# Altium PCB HV_Module_2W.PCBDOC (part 1 of 3)
Units mil, origin at the board's own origin, x right, y up, seen from the top; angles counter-clockwise.
Board outline 5826.77 x 3385.83 mil, 4 copper layers (Top, L2, L3, Bot), stack 62.992 mil thick; 295 components, 180 nets, 850 pads, 310 vias.
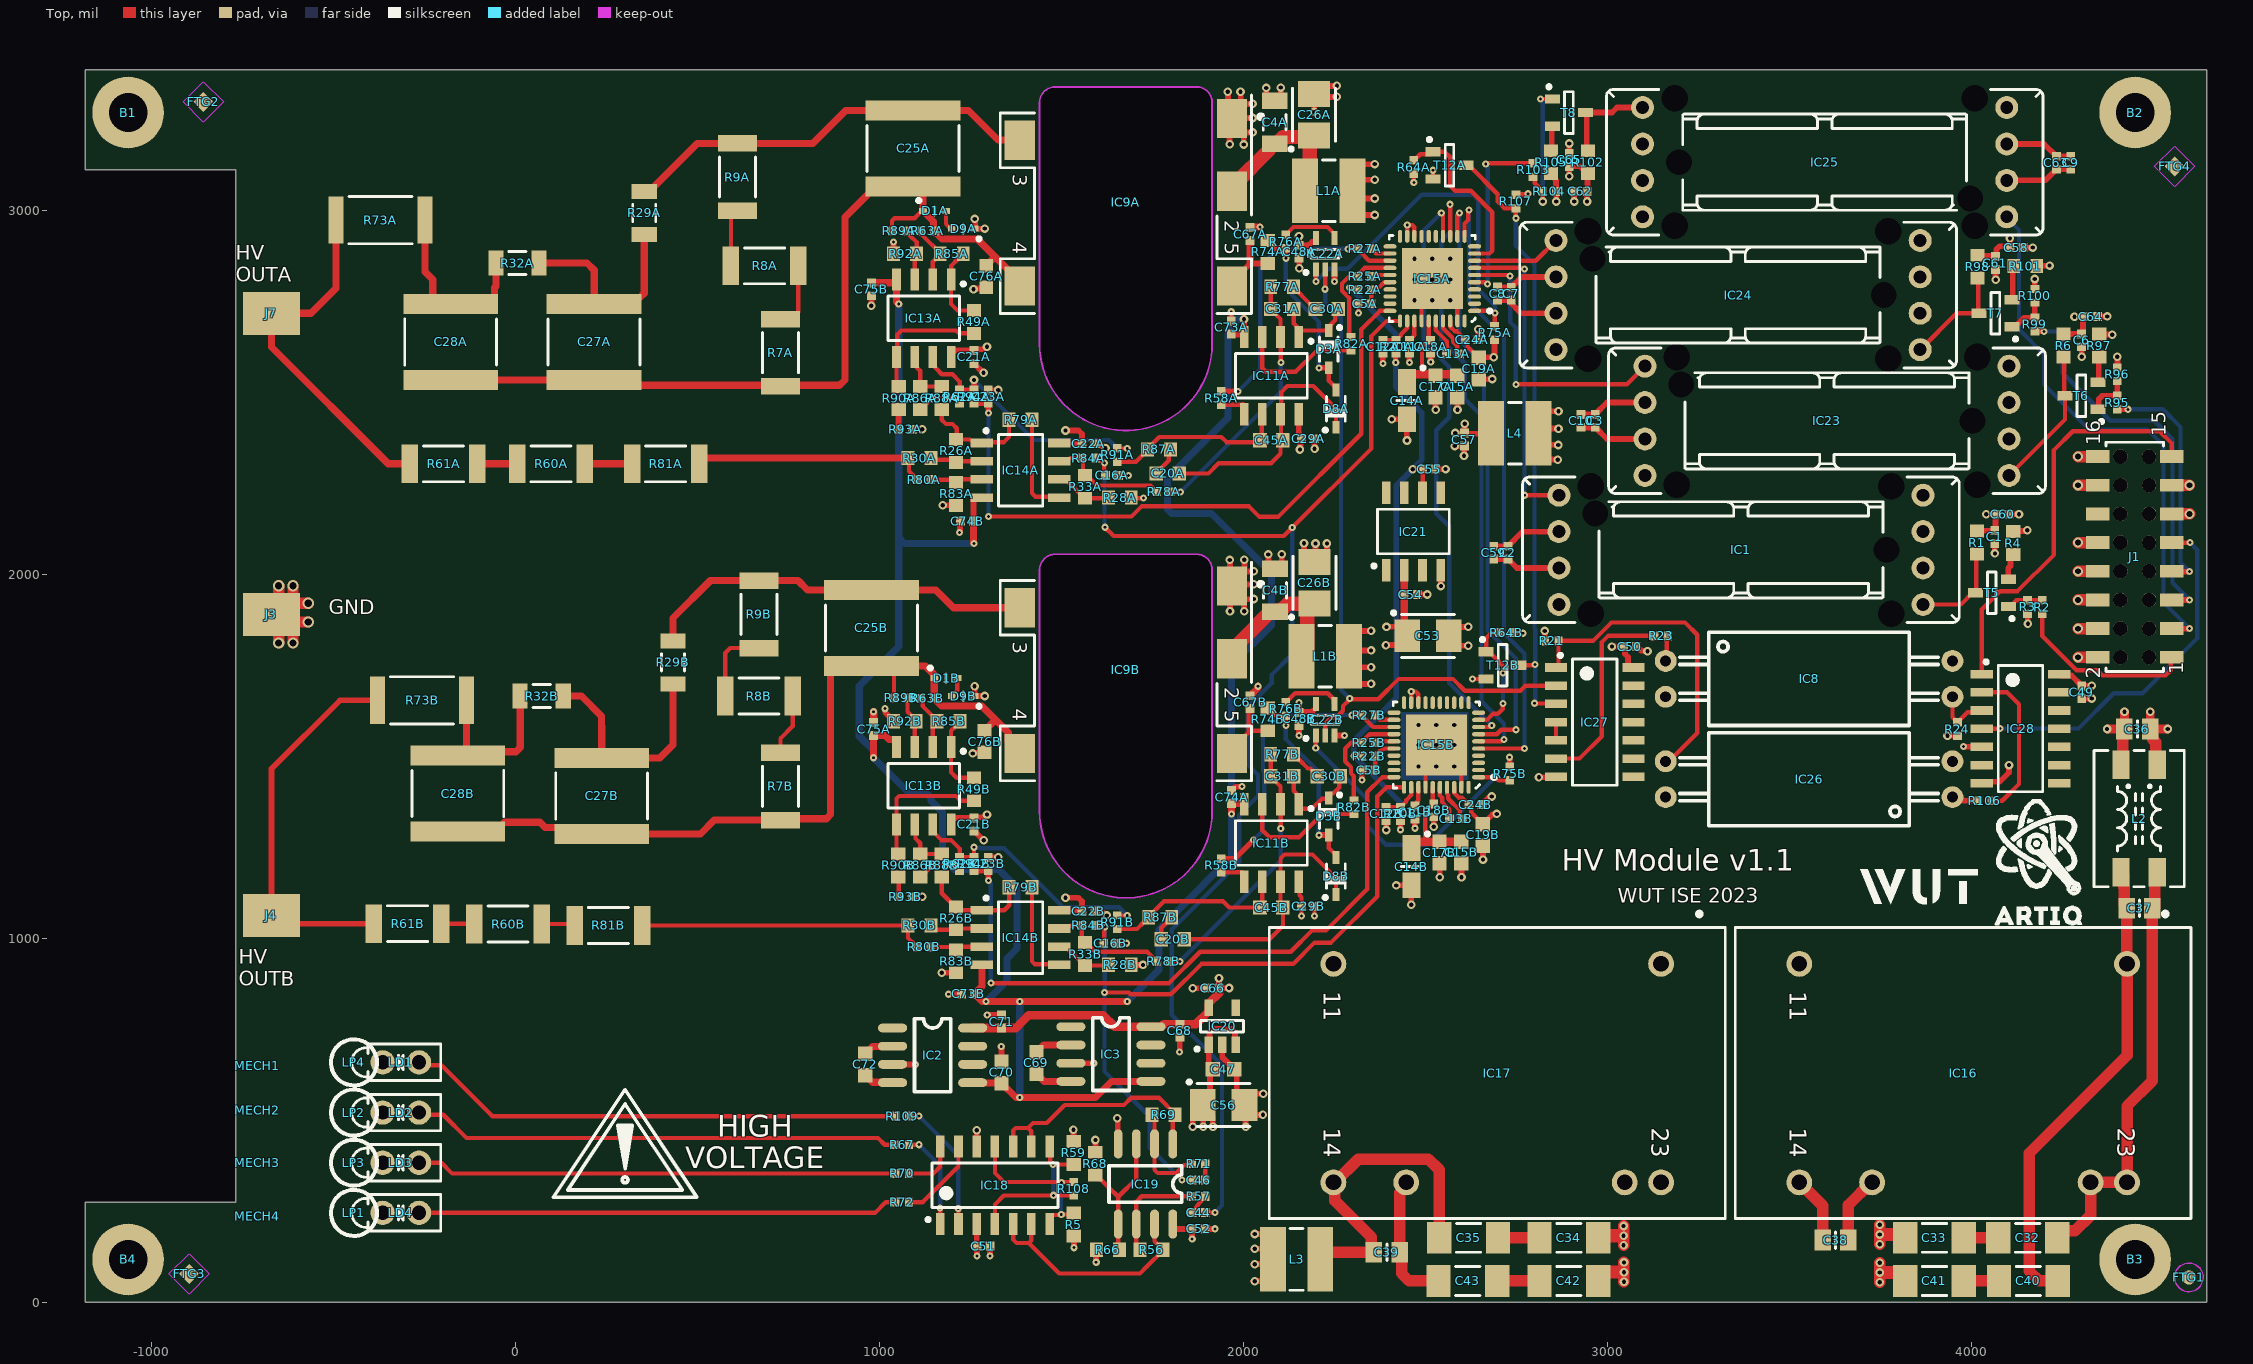
[diagram p0: Top view]
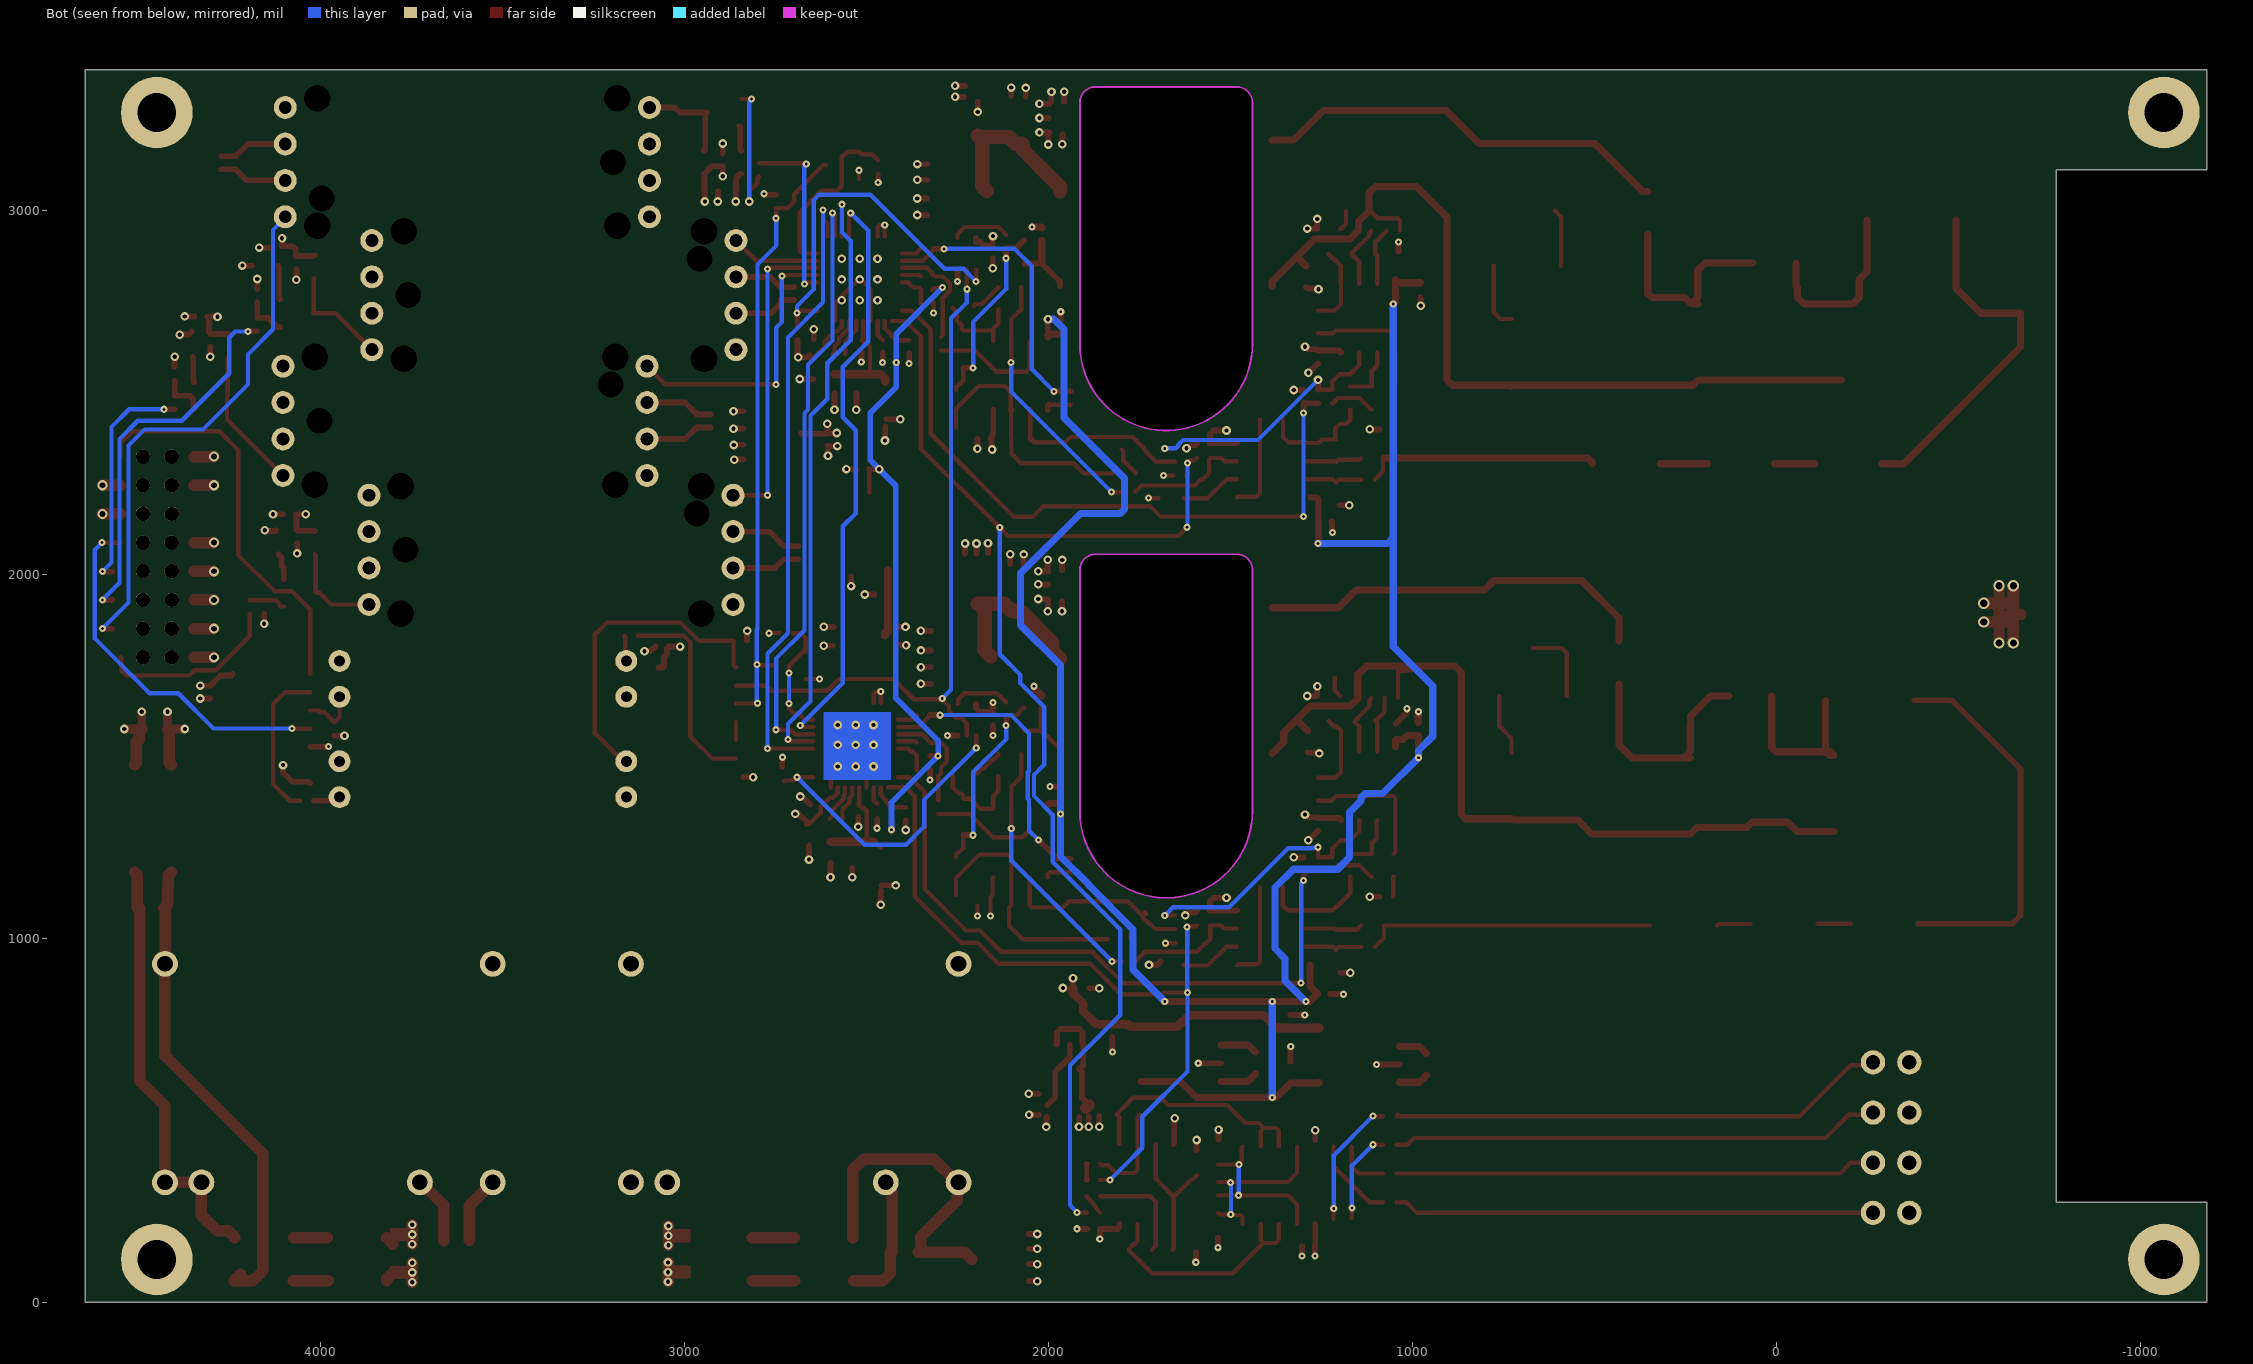
[diagram p1: Bot view, seen from below]
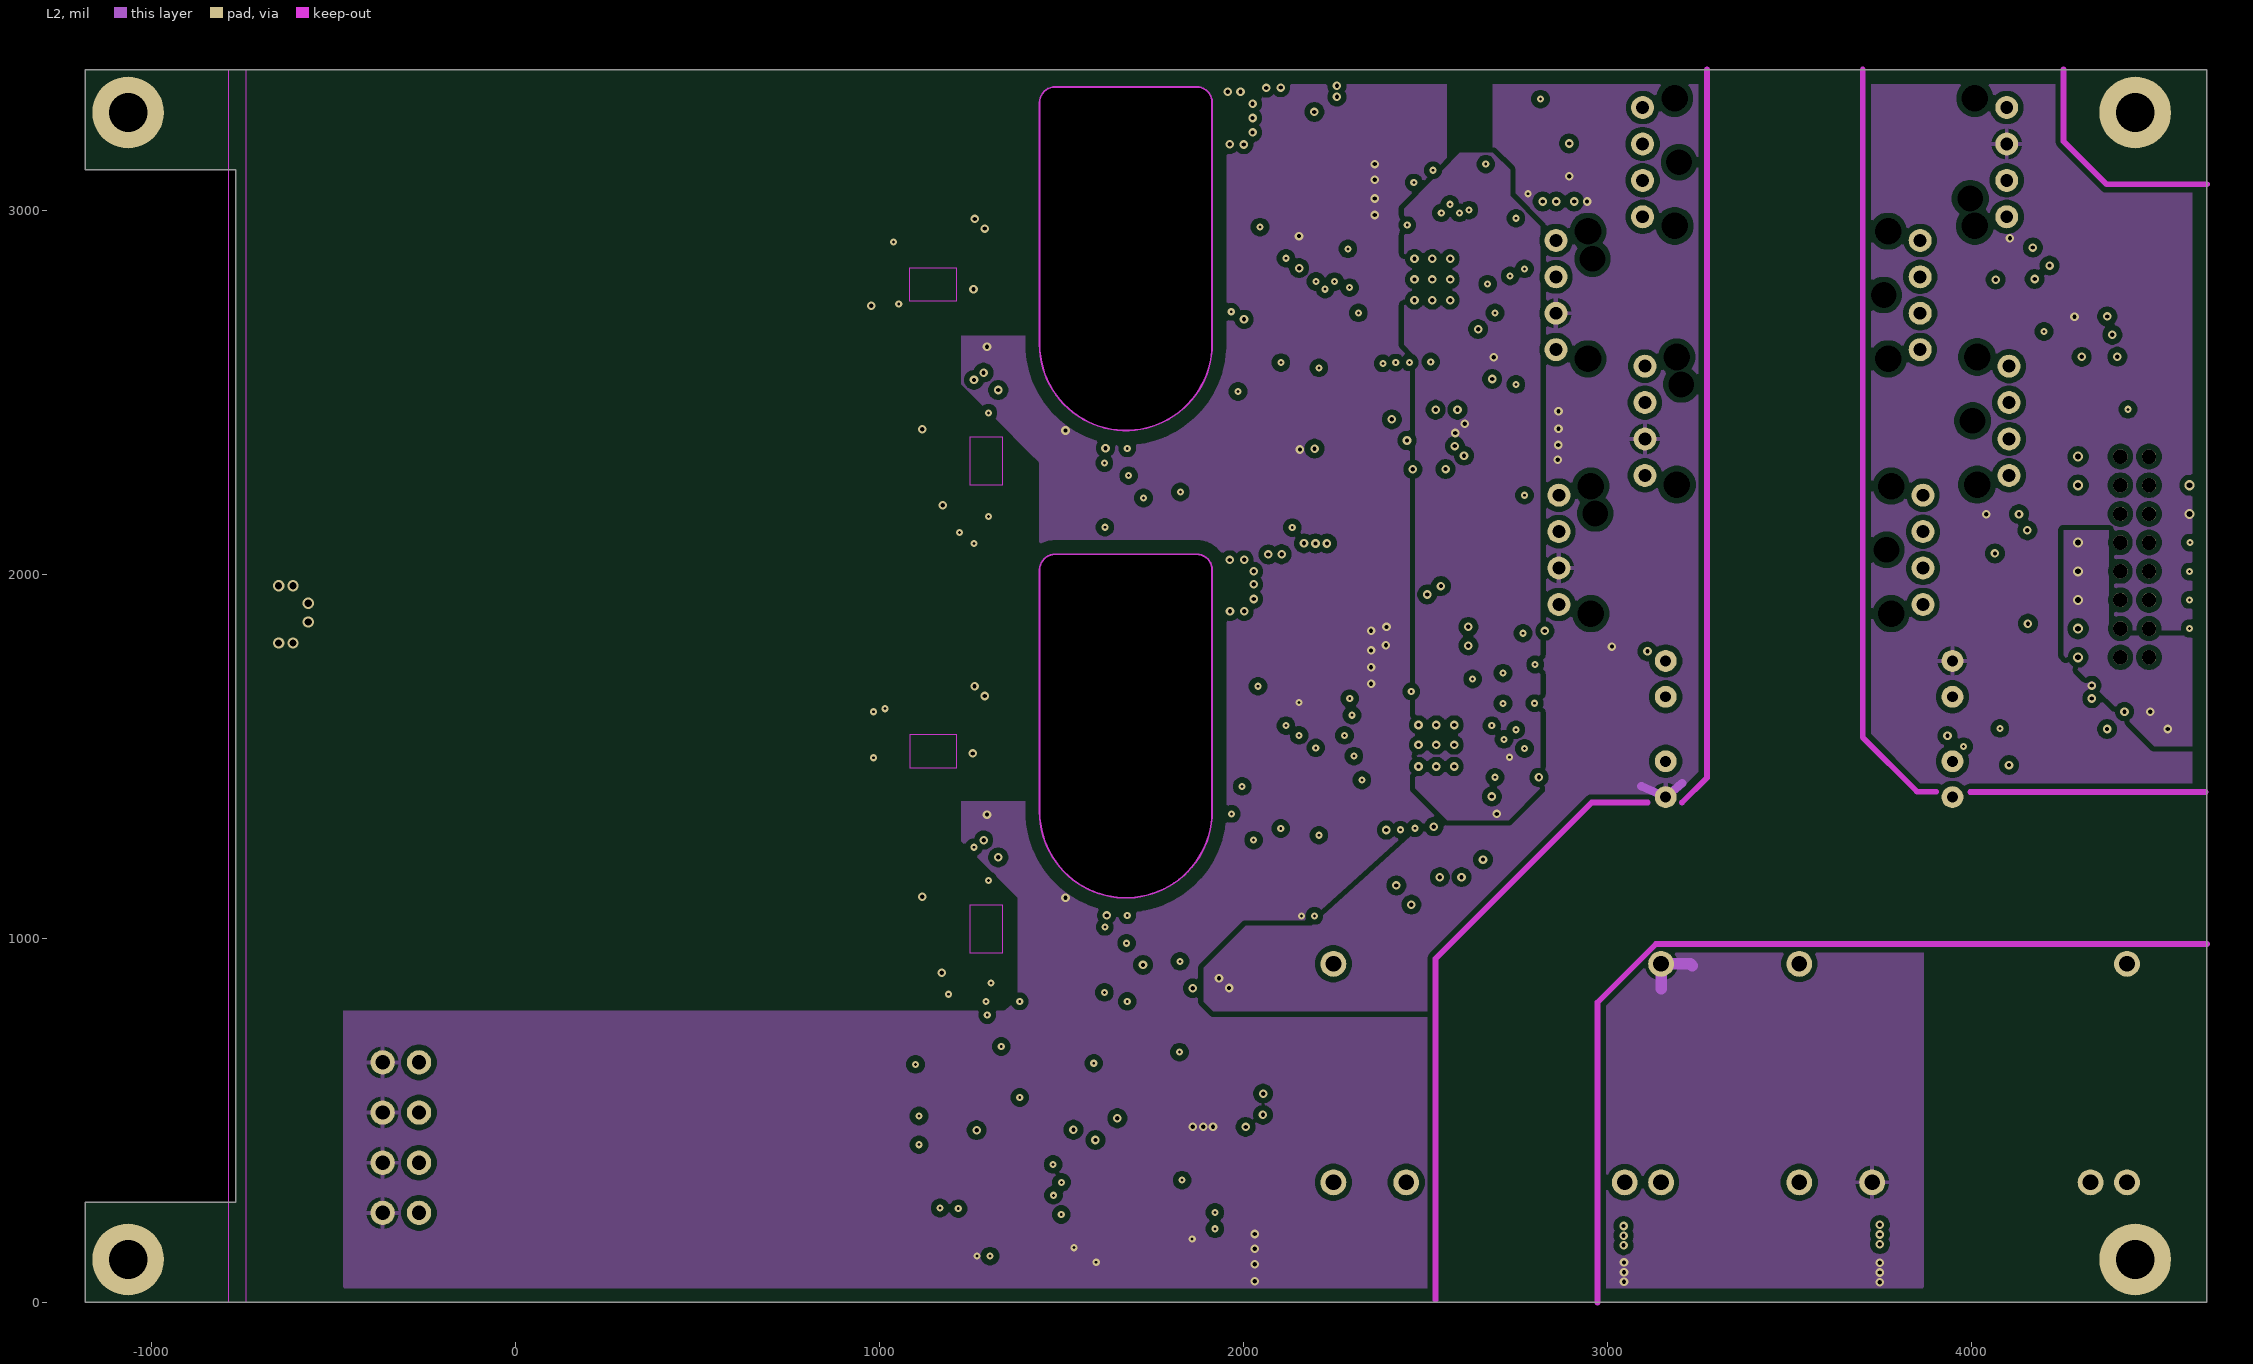
[diagram p2: L2]
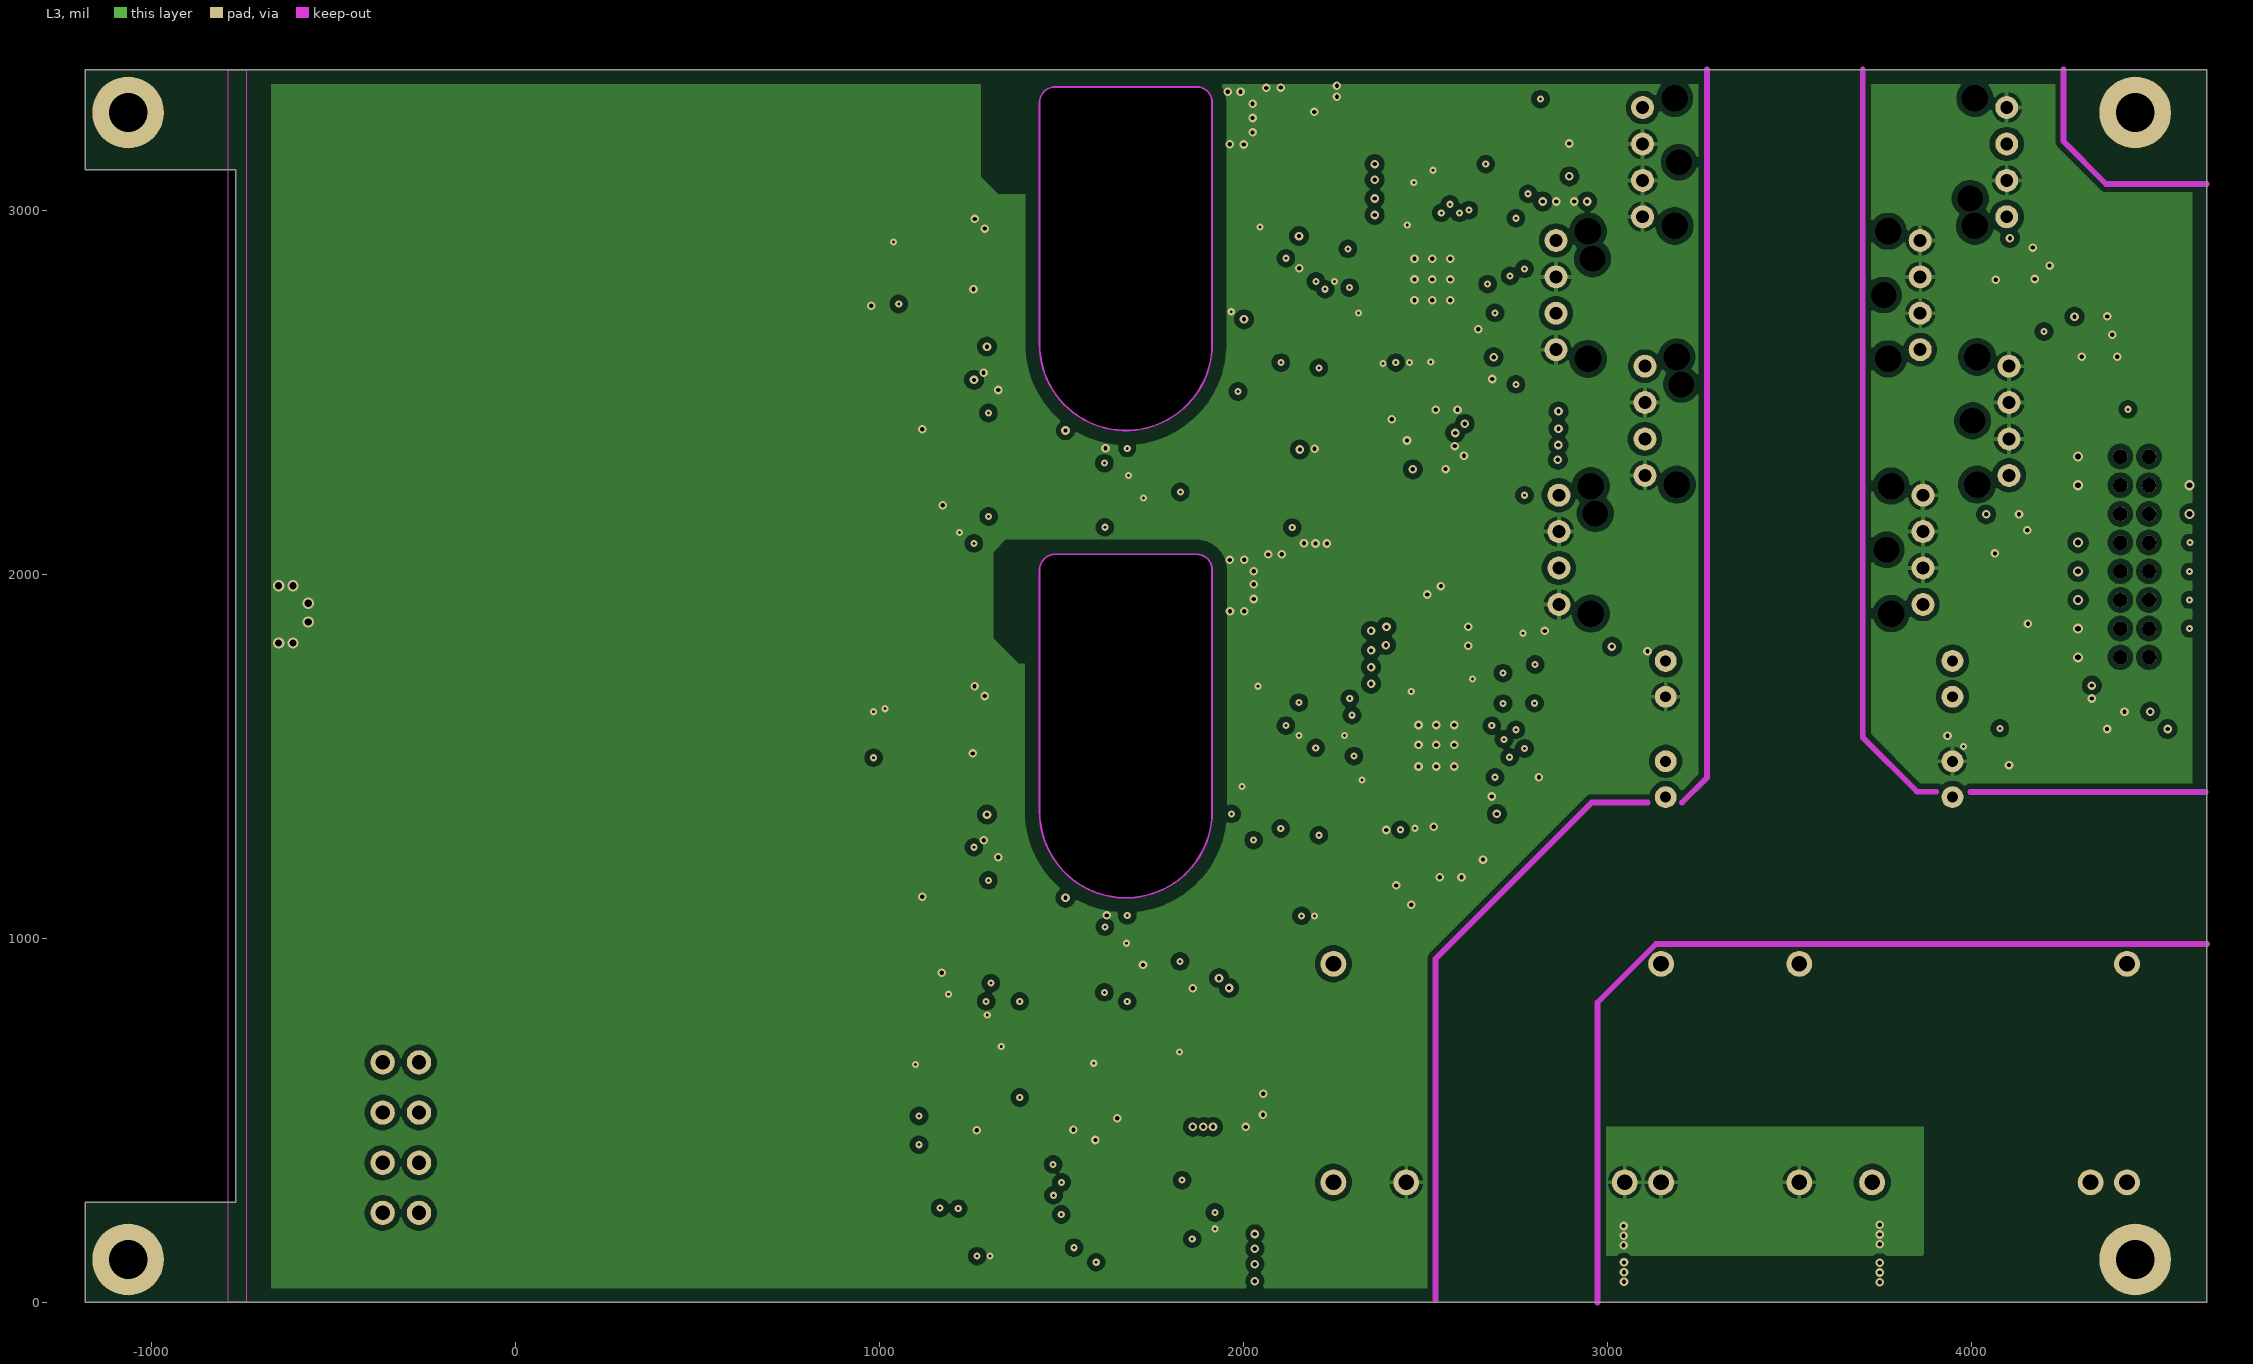
[diagram p3: L3]
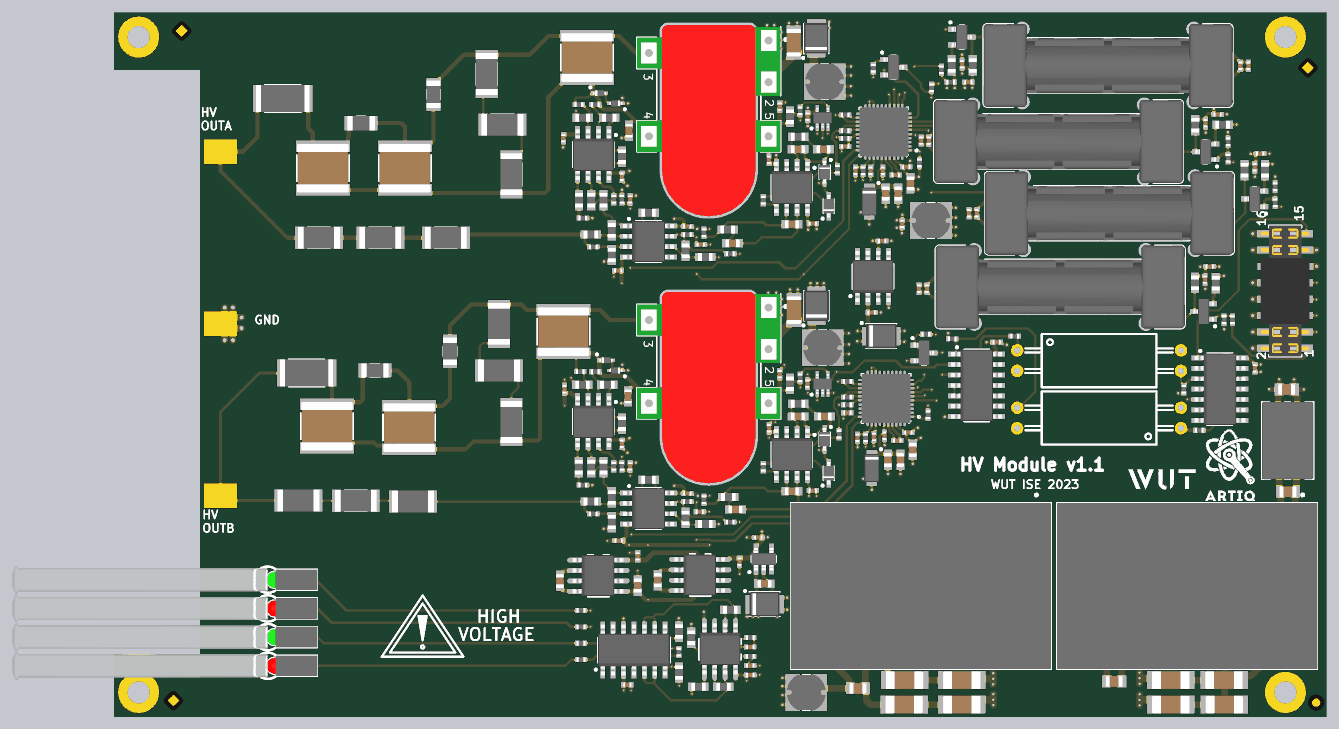
[diagram p6: 3D render of the assembled board from above, using the file's embedded part models]

## Layer stack, top to bottom
TopSolder: solder mask 0.4, Solder Resist, Dk 3.5
Top: signal copper 1.378
Dielectric1: core 7.0866, FR-4, Dk 4.2
L2: signal copper 1.378
Dielectric 3: prepreg 43.3071, FR-4, Dk 4.2
L3: signal copper 1.378
Dielectric2: core 7.0866, FR-4, Dk 4.2
Bot: signal copper 1.378
BottomSolder: solder mask 0.4, Solder Resist, Dk 3.5

## Board outline
-1181.1,0 -1181.1,275.59 -767.72,275.59 -767.72,3110.24 -1181.1,3110.24 -1181.1,3385.83 4645.67,3385.83 4645.67,0 4566.93,0

## Design rules (kind name [scope] priority, off if disabled: settings)
AcuteAngle [All] p1: minimum=6.00000000000000E+0001 checktracksonly=FALSE
BoardOutlineClearance [not (OnLayer('TopOverlay')  or  OnLayer('BottomOverlay') )] p1: gap=10 ignorepadtopadclearanceinfootprint=FALSE except(0: Arc-SplitContinuation Track-SplitContinuation SMDPad-SplitContinuation THPad-SplitContinuation Via-SplitContinuation Fill-SplitContinuation Poly-SplitContinuation Region-SplitContinuation Text-SplitContinuation; 39.37: Poly-OutlineEdge Poly-CutoutEdge)
Clearance Clearance_HV [InNetClass('HV') vs not InNetClass('HV')] p1: gap=39.37 ignorepadtopadclearanceinfootprint=FALSE
Clearance Clearance_balancing [InNamedPolygon('balancing')            or InNamedPolygon('balancing_top')] p2: gap=11.81 ignorepadtopadclearanceinfootprint=FALSE
Clearance Clearance_DIFF [(InDifferentialPairClass('All Differential Pairs'))] p3: gap=5 ignorepadtopadclearanceinfootprint=FALSE except(0: Arc-Hole Track-Hole SMDPad-Hole THPad-Hole Via-Hole Fill-Hole Poly-Hole Region-Hole Text-Hole; 10: Arc-Poly Track-Poly SMDPad-Poly THPad-Poly Via-Poly Fill-Poly Poly-Poly Poly-Region Poly-Text)
Clearance [All] p4: gap=5 ignorepadtopadclearanceinfootprint=FALSE except(0: Arc-Hole Track-Hole SMDPad-Hole THPad-Hole Via-Hole Fill-Hole Poly-Hole Region-Hole Text-Hole; 15: Arc-Poly Track-Poly SMDPad-Poly THPad-Poly Via-Poly Fill-Poly Poly-Poly)
ComponentClearance [All] p1 off: gap=10 collisioncheckmode=3 verticalgap=10 showdistances=FALSE
DiffPairsRouting [All] p1: maxlimit=7 minlimit=6 mostfreqgap=6 toplayer_minwidth=5 toplayer_maxwidth=6 toplayer_prefwidth=6 midlayer1_minwidth=5 midlayer1_maxwidth=6 midlayer1_prefwidth=6 midlayer2_minwidth=5 midlayer2_maxwidth=6 midlayer2_prefwidth=6 bottomlayer_minwidth=5 bottomlayer_maxwidth=6 bottomlayer_prefwidth=6 maxuncoupledlength=500
FabricationTestPointUsage TestPointUsage [All] p1: valid=0 allowmultiple=FALSE
FabricationTestpoint Testpoint [All] p1: side=3 testpointundercomponent=TRUE minsize=40 maxsize=100 preferedsize=60 minholesize=20 maxholesize=40 preferedholesize=32 testpointgrid=1 allowsidetop=TRUE allowsidebottom=TRUE usegrid=TRUE gridtolerance=0.01
Height [All] p1 off: minheight=0 maxheight=1000 prefheight=500
HoleSize [All] p1: absolutevalues=TRUE maxlimit=150 minlimit=1 maxpercent=80.000 minpercent=20.000
HoleToHoleClearance [All] p1: gap=1 allowstackedmicrovias=TRUE
MinimumSolderMaskSliver [All] p1: minsoldermaskwidth=0
PlaneClearance PlaneClearance_HV [InNetClass('HV')] p1: clearance=39.37
PlaneClearance [All] p2: clearance=10
PlaneConnect [All] p1: planeconnectstyle=Direct reliefexpansion=20 reliefentries=4 reliefconductorwidth=10 reliefairgap=10
PolygonConnect [All] p1: thpad.connectstyle=Relief thpad.reliefconductorwidth=11.81 thpad.reliefentries=4 thpad.polygonreliefangle="90 Angle" thpad.airgapwidth=10 smdpad.connectstyle=Relief smdpad.reliefconductorwidth=11.81 smdpad.reliefentries=4 smdpad.polygonreliefangle="90 Angle" smdpad.airgapwidth=10 via.connectstyle=Direct via.reliefconductorwidth=10 via.reliefentries=4 via.polygonreliefangle="45 Angle" via.airgapwidth=10
RoomDefinition U_HV_PWR_STAGE2 [InComponentClass('U_HV_PWR_STAGE2')] p1: confinementstyle=ConfineIn formatcopy=TRUE lockcomponents=FALSE outline 375.98,783.46 2354.33,783.46 2354.33,2112.2 375.98,2112.2
RoomDefinition U_ADC_DAC1 [InComponentClass('U_ADC_DAC1')] p2: confinementstyle=ConfineIn formatcopy=TRUE lockcomponents=FALSE outline 2685.83,2983.3 2292.13,2983.3 2292.13,2473.07 2685.83,2473.07
RoomDefinition U_HV_PWR_STAGE1 [InComponentClass('U_HV_PWR_STAGE1')] p3: confinementstyle=ConfineIn formatcopy=TRUE lockcomponents=FALSE outline 375.98,2066.93 2354.33,2066.93 2354.33,3395.67 375.98,3395.67
RoomDefinition U_LED_indicators [InComponentClass('U_LED_indicators')] p4: confinementstyle=ConfineIn formatcopy=TRUE lockcomponents=FALSE outline 433.07,129.92 1535.43,129.92 1535.43,582.68 433.07,582.68
RoomDefinition U_ADC_DAC2 [InComponentClass('U_ADC_DAC2')] p5: confinementstyle=ConfineIn formatcopy=TRUE lockcomponents=FALSE outline 2696.85,1702.76 2303.15,1702.76 2303.15,1192.52 2696.85,1192.52